# Altium PCB Main_Board.PcbDoc (part 15 of 19)
Units mil, origin at the board's own origin, x right, y up, seen from the top; angles counter-clockwise.
Board outline 5306 x 6610 mil, 12 copper layers ((L1) Top, (L2) Inner 1, (L3) Inner 2, (L4) Inner 3, (L5) Inner 4, (L6) Inner 5, (L7) Inner 6, (L8) Inner 7, (L9) Inner 8, (L10) Inner 9, (L11) Inner 10, (L12) Bottom), stack 94.81 mil thick; 347 components, 571 nets, 2611 pads, 4053 vias.
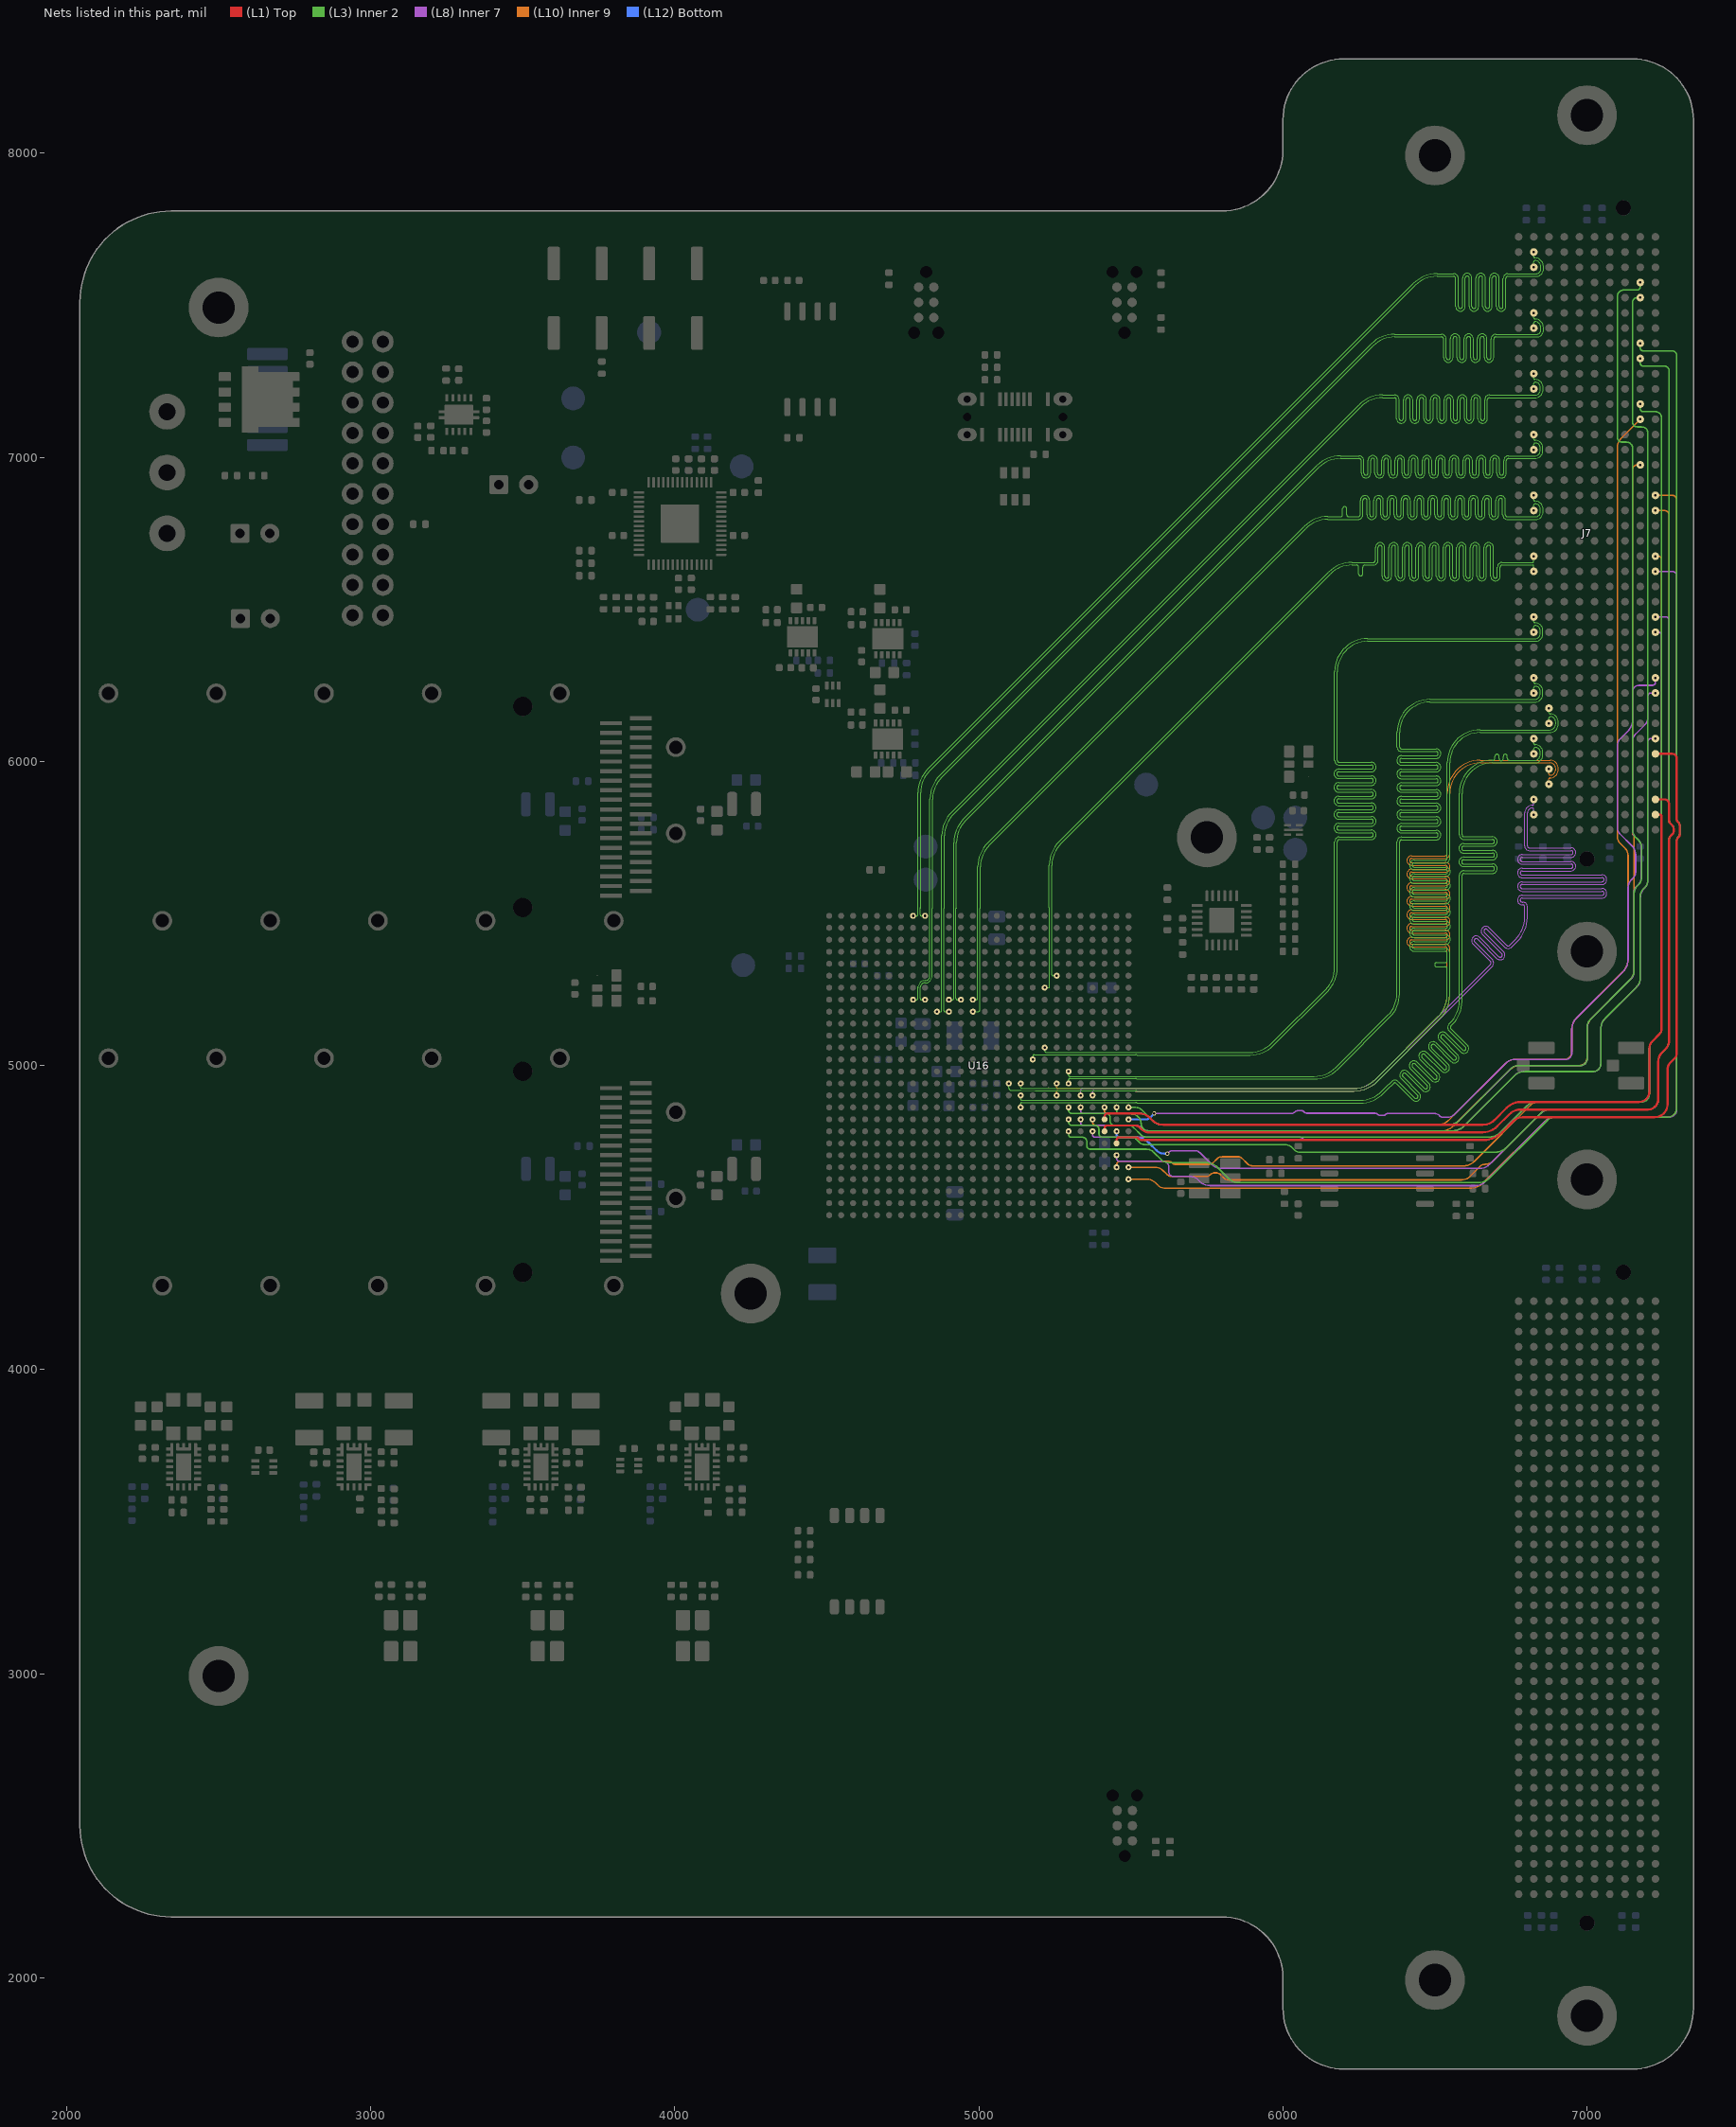
[diagram p25: the nets of this part, all layers, seen from the top]

## Via types
v1: diameter 13.78, hole 7.87, (L1) Top to (L12) Bottom, tented both sides, 4044 vias
v2: diameter 13.78, hole 7.87, (L1) Top to (L12) Bottom, tented bottom, 9 vias

## Nets (pads, with @x,y where several pads share a name; then routed paths per layer and width w, separated by ;. In a path a pad name is that pad's centre, name@x,y a point inside that pad or via, vN(x,y) a via of type N, cw(c..) or ccw(c..) an arc to the next point about the centre after c; other vN are vias at no path point) (continued)
HPCC_B_61_N: J7.H33 U16.R17 | length 4501.2
  (L3) Inner 2 w3.5: v1(5137.8,4940.94) 5138,4940.94 5138,4928 ccw(c5141,4928) 5141,4925 6233.58,4925 ccw(c6233.58,5025) 6304.29,4954.29 6510.71,5160.71 ccw(c6440,5231.42) 6540,5231.42 6540,5316.14 6540,5317.89 ccw(c6533.25,5317.89) 6533.25,5324.64 6505.54,5324.64 cw(c6505.54,5331.39) 6505.54,5338.14 6533.25,5338.14 ccw(c6533.25,5344.89) 6540,5344.89 6540,5354.49 6540,5363 6540,5369.15 ccw(c6533.25,5369.15) 6533.25,5375.9 6431.85,5375.9 cw(c6431.85,5391.45) 6431.85,5407 6534.99,5407 ccw(c6534.99,5413.75) 6534.99,5420.5 6431.85,5420.5 cw(c6431.85,5436.05) 6431.85,5451.6 6534.99,5451.6 ccw(c6534.99,5458.35) 6534.99,5465.1 6431.85,5465.1 cw(c6431.85,5480.65) 6431.85,5496.2 6534.99,5496.2 ccw(c6534.99,5502.95) 6534.99,5509.7 6431.85,5509.7 cw(c6431.85,5525.25) 6431.85,5540.8 6534.99,5540.8 ccw(c6534.99,5547.55) 6534.99,5554.3 6431.85,5554.3 cw(c6431.85,5569.85) 6431.85,5585.4 6534.99,5585.4 ccw(c6534.99,5592.15) 6534.99,5598.9 6431.85,5598.9 cw(c6431.85,5614.45) 6431.85,5630 6534.99,5630 ccw(c6534.99,5636.75) 6534.99,5643.5 6431.85,5643.5 cw(c6431.85,5659.05) 6431.85,5674.6 6533.25,5674.6 ccw(c6533.25,5681.35) 6540,5681.35 6540,5699.01 6540,5995 cw(c6648.8,5995) 6648.8,6103.8 6877.8,6103.8 ccw(c6877.8,6123) 6897,6123 6897,6130 ccw(c6880,6130) 6880,6147 ccw(c6880,6142) 6875,6142 v1(6875,6125)
HPCC_B_61_P: J7.H32 U16.R16 | length 4499.6
  (L3) Inner 2 w3.5: v1(5098.43,4940.94) 5098.43,4926.53 ccw(c5106.98,4926.53) 5106.98,4917.97 5135.47,4917.97 5138.39,4917.97 5185,4917.65 5516.23,4917.65 cw(c5516.23,4915.17) 5517.98,4916.93 ; 5517.98,4916.92 ccw(c5519.73,4918.68) 5519.73,4916.2 6233.58,4916.2 ccw(c6233.58,5025) 6310.51,4948.07 6516.93,5154.49 ccw(c6440,5231.42) 6548.8,5231.42 6548.8,5363 6548.8,5369.15 ccw(c6533.25,5369.15) 6533.25,5384.7 6431.85,5384.7 cw(c6431.85,5391.45) 6431.85,5398.2 6534.99,5398.2 ccw(c6534.99,5413.75) 6534.99,5429.3 6431.85,5429.3 cw(c6431.85,5436.05) 6431.85,5442.8 6534.99,5442.8 ccw(c6534.99,5458.35) 6534.99,5473.9 6431.85,5473.9 cw(c6431.85,5480.65) 6431.85,5487.4 6534.99,5487.4 ccw(c6534.99,5502.95) 6534.99,5518.5 6431.85,5518.5 cw(c6431.85,5525.25) 6431.85,5532 6534.99,5532 ccw(c6534.99,5547.55) 6534.99,5563.1 6431.85,5563.1 cw(c6431.85,5569.85) 6431.85,5576.6 6534.99,5576.6 ccw(c6534.99,5592.15) 6534.99,5607.7 6431.85,5607.7 cw(c6431.85,5614.45) 6431.85,5621.2 6534.99,5621.2 ccw(c6534.99,5636.75) 6534.99,5652.3 6431.85,5652.3 cw(c6431.85,5659.05) 6431.85,5665.8 6533.25,5665.8 ccw(c6533.25,5681.35) 6548.8,5681.35 6548.8,5699.01 6548.8,5995 cw(c6648.8,5995) 6648.8,6095 6877.8,6095 ccw(c6877.8,6123) 6905.8,6123 6905.8,6130 ccw(c6880,6130) 6880,6155.8 cw(c6880,6160.8) 6875,6160.8 v1(6875,6175)
HPCC_B_62_N: J7.H37 U16.R20 | length 4346.7
  (L10) Inner 9 w3.5: v1(5255.91,4940.94) 5255.91,4928.43 ccw(c5259.41,4928.43) 5256.93,4925.96 ccw(c5259.41,4928.44) 5259.41,4924.93 6233.51,4924.93 ccw(c6233.51,5024.93) 6304.22,4954.22 6510.71,5160.71 ccw(c6440,5231.42) 6540,5231.42 6540,5364 6540,5384.16 ccw(c6533.25,5384.16) 6533.25,5390.91 6423.26,5390.91 cw(c6423.26,5406.46) 6423.26,5422.01 6534.17,5422.01 ccw(c6534.17,5428.76) 6534.17,5435.51 6423.26,5435.51 cw(c6423.26,5451.06) 6423.26,5466.61 6534.17,5466.61 ccw(c6534.17,5473.36) 6534.17,5480.11 6423.26,5480.11 cw(c6423.26,5495.66) 6423.26,5511.21 6534.17,5511.21 ccw(c6534.17,5517.96) 6534.17,5524.71 6423.26,5524.71 cw(c6423.26,5540.26) 6423.26,5555.81 6534.17,5555.81 ccw(c6534.17,5562.56) 6534.17,5569.31 6423.26,5569.31 cw(c6423.26,5584.86) 6423.26,5600.41 6534.17,5600.41 ccw(c6534.17,5607.16) 6534.17,5613.91 6423.26,5613.91 cw(c6423.26,5629.46) 6423.26,5645.01 6534.17,5645.01 ccw(c6534.17,5651.76) 6534.17,5658.51 6423.26,5658.51 cw(c6423.26,5674.06) 6423.26,5689.61 6533.25,5689.61 ccw(c6533.25,5696.36) 6540,5696.36 6540,5724.81 6540,5895 cw(c6648.8,5895) 6648.8,6003.8 6879,6003.8 cw(c6879,5977) 6905.8,5977 6905.8,5973 cw(c6879,5973) 6879,5946.2 ccw(c6879,5942.2) 6875,5942.2 v1(6875,5925)
HPCC_B_62_P: J7.H36 U16.T20 | length 4318.7
  (L10) Inner 9 w3.5: v1(5255.91,4901.57) 5255.91,4914.08 cw(c5259.41,4914.08) 5256.93,4916.56 cw(c5259.41,4914.08) 5259.41,4917.58 5515,4917.58 ccw(c5516.45,4917.58) 5516.45,4916.13 6233.51,4916.13 ccw(c6233.51,5024.93) 6310.45,4948 6516.93,5154.49 ccw(c6440,5231.42) 6548.8,5231.42 6548.8,5364 6548.8,5384.16 ccw(c6533.25,5384.16) 6533.25,5399.71 6423.26,5399.71 cw(c6423.26,5406.46) 6423.26,5413.21 6534.17,5413.21 ccw(c6534.17,5428.76) 6534.17,5444.31 6423.26,5444.31 cw(c6423.26,5451.06) 6423.26,5457.81 6534.17,5457.81 ccw(c6534.17,5473.36) 6534.17,5488.91 6423.26,5488.91 cw(c6423.26,5495.66) 6423.26,5502.41 6534.17,5502.41 ccw(c6534.17,5517.96) 6534.17,5533.51 6423.26,5533.51 cw(c6423.26,5540.26) 6423.26,5547.01 6534.17,5547.01 ccw(c6534.17,5562.56) 6534.17,5578.11 6423.26,5578.11 cw(c6423.26,5584.86) 6423.26,5591.61 6534.17,5591.61 ccw(c6534.17,5607.16) 6534.17,5622.71 6423.26,5622.71 cw(c6423.26,5629.46) 6423.26,5636.21 6534.17,5636.21 ccw(c6534.17,5651.76) 6534.17,5667.31 6423.26,5667.31 cw(c6423.26,5674.06) 6423.26,5680.81 6533.25,5680.81 ccw(c6533.25,5696.36) 6548.8,5696.36 6548.8,5724.81 6548.8,5895 cw(c6648.8,5895) 6648.8,5995 6879,5995 cw(c6879,5977) 6897,5977 6897,5973 cw(c6879,5973) 6879,5955 cw(c6879,5959) 6875,5959 v1(6875,5975)
HPCC_B_63_N: J7.J3 U16.A8 | length 4106.9
  (L3) Inner 2 w3.5: v1(4783.46,5492.13) 4795.97,5492.13 ccw(c4795.97,5495.63) 4798.45,5493.15 ccw(c4795.97,5495.63) 4799.47,5495.63 4799.47,5896.85 cw(c4908.27,5896.85) 4831.34,5973.79 6429.49,7571.93 cw(c6506.42,7495) 6506.42,7603.8 6515,7603.8 6561.31,7603.8 cw(c6561.31,7588.25) 6576.86,7588.25 6576.86,7496.31 ccw(c6583.61,7496.31) 6590.36,7496.31 6590.36,7589.24 cw(c6605.91,7589.24) 6621.46,7589.24 6621.46,7496.31 ccw(c6628.21,7496.31) 6634.96,7496.31 6634.96,7589.24 cw(c6650.51,7589.24) 6666.06,7589.24 6666.06,7496.31 ccw(c6672.81,7496.31) 6679.56,7496.31 6679.56,7589.24 cw(c6695.11,7589.24) 6710.66,7589.24 6710.66,7496.31 ccw(c6717.41,7496.31) 6724.16,7496.31 6724.16,7588.25 cw(c6739.71,7588.25) 6739.71,7603.8 6745.86,7603.8 6832.8,7603.8 ccw(c6832.8,7619) 6848,7619 6848,7628 ccw(c6829,7628) 6829,7647 ccw(c6829,7643) 6825,7643 v1(6825,7625)
HPCC_B_63_P: J7.J2 U16.A9 | length 4118.3
  (L3) Inner 2 w3.5: v1(4822.83,5492.13) 4810.32,5492.13 cw(c4810.32,5495.63) 4807.85,5493.15 cw(c4810.32,5495.63) 4806.82,5495.63 4806.82,5516.23 cw(c4809.3,5516.23) 4807.55,5517.98 ccw(c4805.8,5519.73) 4808.27,5519.73 4808.27,5896.85 cw(c4908.27,5896.85) 4837.56,5967.56 6435.71,7565.71 cw(c6506.42,7495) 6506.42,7595 6515,7595 6561.31,7595 cw(c6561.31,7588.25) 6568.06,7588.25 6568.06,7496.31 ccw(c6583.61,7496.31) 6599.16,7496.31 6599.16,7589.24 cw(c6605.91,7589.24) 6612.66,7589.24 6612.66,7496.31 ccw(c6628.21,7496.31) 6643.76,7496.31 6643.76,7589.24 cw(c6650.51,7589.24) 6657.26,7589.24 6657.26,7496.31 ccw(c6672.81,7496.31) 6688.36,7496.31 6688.36,7589.24 cw(c6695.11,7589.24) 6701.86,7589.24 6701.86,7496.31 ccw(c6717.41,7496.31) 6732.96,7496.31 6732.96,7588.25 cw(c6739.71,7588.25) 6739.71,7595 6745.86,7595 6832.8,7595 ccw(c6832.8,7619) 6856.8,7619 6856.8,7628 ccw(c6829,7628) 6829,7655.8 cw(c6829,7659.8) 6825,7659.8 v1(6825,7675)
HPCC_B_64_N: J7.J7 U16.H8 | length 4024.8
  (L3) Inner 2 w3.5: v1(4783.46,5216.54) 4795.97,5216.54 ccw(c4795.97,5220.04) 4798.45,5217.56 ccw(c4795.97,5220.04) 4799.47,5220.04 4799.47,5255 ; 4799.47,5255.05 cw(c4806.82,5255) 4799.56,5256.11 4800.06,5259.39 cw(c4822.83,5255.91) 4822.83,5278.94 4823.94,5278.94 ccw(c4823.94,5294) 4839,5294 4839,5876.38 cw(c4947.8,5876.38) 4870.87,5953.31 6290.49,7372.93 cw(c6367.42,7296) 6367.42,7404.8 6470.7,7404.8 6521.45,7404.8 cw(c6521.45,7389.25) 6537,7389.25 6537,7327.98 ccw(c6543.75,7327.98) 6550.5,7327.98 6550.5,7390.38 cw(c6566.05,7390.38) 6581.6,7390.38 6581.6,7327.98 ccw(c6588.35,7327.98) 6595.1,7327.98 6595.1,7390.38 cw(c6610.65,7390.38) 6626.2,7390.38 6626.2,7327.98 ccw(c6632.95,7327.98) 6639.7,7327.98 6639.7,7390.38 cw(c6655.25,7390.38) 6670.8,7390.38 6670.8,7327.98 ccw(c6677.55,7327.98) 6684.3,7327.98 6684.3,7389.25 cw(c6699.85,7389.25) 6699.85,7404.8 6706,7404.8 6834.8,7404.8 ccw(c6834.8,7418) 6848,7418 6848,7427 ccw(c6829,7427) 6829,7446 ccw(c6829,7442) 6825,7442 v1(6825,7425)
HPCC_B_64_P: J7.J6 U16.H9 | length 4038.2
  (L3) Inner 2 w3.5: v1(4822.83,5216.54) 4810.32,5216.54 cw(c4810.32,5220.04) 4807.85,5217.56 cw(c4810.32,5220.04) 4806.82,5220.04 4806.82,5255 4807.33,5258.27 cw(c4822.83,5255.91) 4822.83,5271.59 4823.94,5271.59 ccw(c4823.94,5294) 4846.35,5294 4846.35,5516.23 cw(c4848.83,5516.23) 4847.07,5517.98 ; 4847.08,5517.98 ccw(c4845.32,5519.73) 4847.8,5519.73 4847.8,5876.38 cw(c4947.8,5876.38) 4877.09,5947.09 6296.71,7366.71 cw(c6367.42,7296) 6367.42,7396 6470.7,7396 6521.45,7396 cw(c6521.45,7389.25) 6528.2,7389.25 6528.2,7327.98 ccw(c6543.75,7327.98) 6559.3,7327.98 6559.3,7390.38 cw(c6566.05,7390.38) 6572.8,7390.38 6572.8,7327.98 ccw(c6588.35,7327.98) 6603.9,7327.98 6603.9,7390.38 cw(c6610.65,7390.38) 6617.4,7390.38 6617.4,7327.98 ccw(c6632.95,7327.98) 6648.5,7327.98 6648.5,7390.38 cw(c6655.25,7390.38) 6662,7390.38 6662,7327.98 ccw(c6677.55,7327.98) 6693.1,7327.98 6693.1,7389.25 cw(c6699.85,7389.25) 6699.85,7396 6706,7396 6834.8,7396 ccw(c6834.8,7418) 6856.8,7418 6856.8,7427 ccw(c6829,7427) 6829,7454.8 cw(c6829,7458.8) 6825,7458.8 v1(6825,7475)
HPCC_B_65_N: J7.J11 U16.J10 | length 4287.9
  (L3) Inner 2 w3.5: v1(4862.2,5177.17) 4874.71,5177.17 ccw(c4874.71,5180.67) 4877.19,5178.19 ccw(c4874.71,5180.67) 4878.21,5180.67 4878.21,5755.59 cw(c4987.01,5755.59) 4910.08,5832.53 6250.49,7172.93 cw(c6327.42,7096) 6327.42,7204.8 6335.15,7204.8 6366.89,7204.8 cw(c6366.89,7189.25) 6382.44,7189.25 6382.44,7127.85 ccw(c6389.19,7127.85) 6395.94,7127.85 6395.94,7189.43 cw(c6411.49,7189.43) 6427.04,7189.43 6427.04,7127.85 ccw(c6433.79,7127.85) 6440.54,7127.85 6440.54,7189.43 cw(c6456.09,7189.43) 6471.64,7189.43 6471.64,7127.85 ccw(c6478.39,7127.85) 6485.14,7127.85 6485.14,7189.43 cw(c6500.69,7189.43) 6516.24,7189.43 6516.24,7127.85 ccw(c6522.99,7127.85) 6529.74,7127.85 6529.74,7189.43 cw(c6545.29,7189.43) 6560.84,7189.43 6560.84,7127.85 ccw(c6567.59,7127.85) 6574.34,7127.85 6574.34,7189.43 cw(c6589.89,7189.43) 6605.44,7189.43 6605.44,7127.85 ccw(c6612.19,7127.85) 6618.94,7127.85 6618.94,7189.43 cw(c6634.49,7189.43) 6650.04,7189.43 6650.04,7127.85 ccw(c6656.79,7127.85) 6663.54,7127.85 6663.54,7189.25 cw(c6679.09,7189.25) 6679.09,7204.8 6685.24,7204.8 6828.8,7204.8 ccw(c6828.8,7223) 6847,7223 6847,7229 ccw(c6829,7229) 6829,7247 ccw(c6829,7243) 6825,7243 v1(6825,7225)
HPCC_B_65_P: J7.J10 U16.J11 | length 4299.3
  (L3) Inner 2 w3.5: v1(4901.57,5177.17) 4889.06,5177.17 cw(c4889.06,5180.67) 4886.59,5178.19 cw(c4889.06,5180.67) 4885.56,5180.67 4885.56,5516.23 cw(c4888.04,5516.23) 4886.29,5517.98 ccw(c4884.54,5519.73) 4887.01,5519.73 4887.01,5755.59 cw(c4987.01,5755.59) 4916.3,5826.3 6256.71,7166.71 cw(c6327.42,7096) 6327.42,7196 6335.15,7196 6366.89,7196 cw(c6366.89,7189.25) 6373.64,7189.25 6373.64,7127.85 ccw(c6389.19,7127.85) 6404.74,7127.85 6404.74,7189.43 cw(c6411.49,7189.43) 6418.24,7189.43 6418.24,7127.85 ccw(c6433.79,7127.85) 6449.34,7127.85 6449.34,7189.43 cw(c6456.09,7189.43) 6462.84,7189.43 6462.84,7127.85 ccw(c6478.39,7127.85) 6493.94,7127.85 6493.94,7189.43 cw(c6500.69,7189.43) 6507.44,7189.43 6507.44,7127.85 ccw(c6522.99,7127.85) 6538.54,7127.85 6538.54,7189.43 cw(c6545.29,7189.43) 6552.04,7189.43 6552.04,7127.85 ccw(c6567.59,7127.85) 6583.14,7127.85 6583.14,7189.43 cw(c6589.89,7189.43) 6596.64,7189.43 6596.64,7127.85 ccw(c6612.19,7127.85) 6627.74,7127.85 6627.74,7189.43 cw(c6634.49,7189.43) 6641.24,7189.43 6641.24,7127.85 ccw(c6656.79,7127.85) 6672.34,7127.85 6672.34,7189.25 cw(c6679.09,7189.25) 6679.09,7196 6685.24,7196 6828.8,7196 ccw(c6828.8,7223) 6855.8,7223 6855.8,7229 ccw(c6829,7229) 6829,7255.8 cw(c6829,7259.8) 6825,7259.8 v1(6825,7275)
HPCC_B_66_N: J7.J15 U16.H11 | length 4280.7
  (L3) Inner 2 w3.5: v1(4901.57,5216.54) 4914.08,5216.54 ccw(c4914.08,5220.04) 4916.56,5217.56 ccw(c4914.08,5220.04) 4917.58,5220.04 4917.58,5733.4 cw(c5026.38,5733.4) 4949.45,5810.34 6112.05,6972.93 cw(c6188.98,6896) 6188.98,7004.8 6209.49,7004.8 6250.75,7004.8 cw(c6250.75,6989.25) 6266.3,6989.25 6266.3,6947.97 ccw(c6273.05,6947.97) 6279.8,6947.97 6279.8,6990.26 cw(c6295.35,6990.26) 6310.9,6990.26 6310.9,6947.97 ccw(c6317.65,6947.97) 6324.4,6947.97 6324.4,6990.26 cw(c6339.95,6990.26) 6355.5,6990.26 6355.5,6947.97 ccw(c6362.25,6947.97) 6369,6947.97 6369,6990.26 cw(c6384.55,6990.26) 6400.1,6990.26 6400.1,6947.97 ccw(c6406.85,6947.97) 6413.6,6947.97 6413.6,6990.26 cw(c6429.15,6990.26) 6444.7,6990.26 6444.7,6947.97 ccw(c6451.45,6947.97) 6458.2,6947.97 6458.2,6990.26 cw(c6473.75,6990.26) 6489.3,6990.26 6489.3,6947.97 ccw(c6496.05,6947.97) 6502.8,6947.97 6502.8,6990.26 cw(c6518.35,6990.26) 6533.9,6990.26 6533.9,6947.97 ccw(c6540.65,6947.97) 6547.4,6947.97 6547.4,6990.26 cw(c6562.95,6990.26) 6578.5,6990.26 6578.5,6947.97 ccw(c6585.25,6947.97) 6592,6947.97 6592,6990.26 cw(c6607.55,6990.26) 6623.1,6990.26 6623.1,6947.97 ccw(c6629.85,6947.97) 6636.6,6947.97 6636.6,6990.26 cw(c6652.15,6990.26) 6667.7,6990.26 6667.7,6947.97 ccw(c6674.45,6947.97) 6681.2,6947.97 6681.2,6990.26 cw(c6696.75,6990.26) 6712.3,6990.26 6712.3,6947.97 ccw(c6719.05,6947.97) 6725.8,6947.97 6725.8,6989.25 cw(c6741.35,6989.25) 6741.35,7004.8 6747.5,7004.8 6828.8,7004.8 ccw(c6828.8,7022) 6846,7022 6846,7031 ccw(c6830,7031) 6830,7047 ccw(c6830,7042) 6825,7042 v1(6825,7025)
HPCC_B_66_P: J7.J14 U16.H12 | length 4292.1
  (L3) Inner 2 w3.5: v1(4940.94,5216.54) 4928.43,5216.54 cw(c4928.43,5220.04) 4925.96,5217.56 cw(c4928.44,5220.04) 4924.93,5220.04 4924.93,5516.23 cw(c4927.41,5516.23) 4925.66,5517.98 ccw(c4923.91,5519.73) 4926.38,5519.73 4926.38,5733.4 cw(c5026.38,5733.4) 4955.67,5804.11 6118.27,6966.71 cw(c6188.98,6896) 6188.98,6996 6209.49,6996 6250.75,6996 cw(c6250.75,6989.25) 6257.5,6989.25 6257.5,6947.97 ccw(c6273.05,6947.97) 6288.6,6947.97 6288.6,6990.26 cw(c6295.35,6990.26) 6302.1,6990.26 6302.1,6947.97 ccw(c6317.65,6947.97) 6333.2,6947.97 6333.2,6990.26 cw(c6339.95,6990.26) 6346.7,6990.26 6346.7,6947.97 ccw(c6362.25,6947.97) 6377.8,6947.97 6377.8,6990.26 cw(c6384.55,6990.26) 6391.3,6990.26 6391.3,6947.97 ccw(c6406.85,6947.97) 6422.4,6947.97 6422.4,6990.26 cw(c6429.15,6990.26) 6435.9,6990.26 6435.9,6947.97 ccw(c6451.45,6947.97) 6467,6947.97 6467,6990.26 cw(c6473.75,6990.26) 6480.5,6990.26 6480.5,6947.97 ccw(c6496.05,6947.97) 6511.6,6947.97 6511.6,6990.26 cw(c6518.35,6990.26) 6525.1,6990.26 6525.1,6947.97 ccw(c6540.65,6947.97) 6556.2,6947.97 6556.2,6990.26 cw(c6562.95,6990.26) 6569.7,6990.26 6569.7,6947.97 ccw(c6585.25,6947.97) 6600.8,6947.97 6600.8,6990.26 cw(c6607.55,6990.26) 6614.3,6990.26 6614.3,6947.97 ccw(c6629.85,6947.97) 6645.4,6947.97 6645.4,6990.26 cw(c6652.15,6990.26) 6658.9,6990.26 6658.9,6947.97 ccw(c6674.45,6947.97) 6690,6947.97 6690,6990.26 cw(c6696.75,6990.26) 6703.5,6990.26 6703.5,6947.97 ccw(c6719.05,6947.97) 6734.6,6947.97 6734.6,6989.25 cw(c6741.35,6989.25) 6741.35,6996 6747.5,6996 6828.8,6996 ccw(c6828.8,7022) 6854.8,7022 6854.8,7031 ccw(c6830,7031) 6830,7055.8 cw(c6830,7060.8) 6825,7060.8 v1(6825,7075)
HPCC_B_67_N: J7.J19 U16.H13 | length 4232.8
  (L3) Inner 2 w3.5: v1(4980.31,5216.54) 4991.46,5216.54 ccw(c4991.46,5221.54) 4995,5218 ccw(c4991.81,5221.19) 4996.32,5221.19 4996.32,5653.7 cw(c5105.12,5653.7) 5028.19,5730.63 6070.49,6772.93 cw(c6147.42,6696) 6147.42,6804.8 6187.82,6804.8 6189.57,6804.8 ccw(c6189.57,6811.55) 6196.32,6811.55 6196.32,6831.1 cw(c6203.07,6831.1) 6209.82,6831.1 6209.82,6811.55 ccw(c6216.57,6811.55) 6216.57,6804.8 6225.69,6804.8 6241.38,6804.8 6247.53,6804.8 ccw(c6247.53,6811.55) 6254.28,6811.55 6254.28,6858.33 cw(c6269.83,6858.33) 6285.38,6858.33 6285.38,6811.39 ccw(c6292.13,6811.39) 6298.88,6811.39 6298.88,6858.33 cw(c6314.43,6858.33) 6329.98,6858.33 6329.98,6811.39 ccw(c6336.73,6811.39) 6343.48,6811.39 6343.48,6858.33 cw(c6359.03,6858.33) 6374.58,6858.33 6374.58,6811.39 ccw(c6381.33,6811.39) 6388.08,6811.39 6388.08,6858.33 cw(c6403.63,6858.33) 6419.18,6858.33 6419.18,6811.39 ccw(c6425.93,6811.39) 6432.68,6811.39 6432.68,6858.33 cw(c6448.23,6858.33) 6463.78,6858.33 6463.78,6811.39 ccw(c6470.53,6811.39) 6477.28,6811.39 6477.28,6858.33 cw(c6492.83,6858.33) 6508.38,6858.33 6508.38,6811.39 ccw(c6515.13,6811.39) 6521.88,6811.39 6521.88,6858.33 cw(c6537.43,6858.33) 6552.98,6858.33 6552.98,6811.39 ccw(c6559.73,6811.39) 6566.48,6811.39 6566.48,6858.33 cw(c6582.03,6858.33) 6597.58,6858.33 6597.58,6811.39 ccw(c6604.33,6811.39) 6611.08,6811.39 6611.08,6858.33 cw(c6626.63,6858.33) 6642.18,6858.33 6642.18,6811.39 ccw(c6648.93,6811.39) 6655.68,6811.39 6655.68,6858.33 cw(c6671.23,6858.33) 6686.78,6858.33 6686.78,6811.39 ccw(c6693.53,6811.39) 6700.28,6811.39 6700.28,6858.33 cw(c6715.83,6858.33) 6731.38,6858.33 6731.38,6811.55 ccw(c6738.13,6811.55) 6738.13,6804.8 6758.46,6804.8 6831.8,6804.8 ccw(c6831.8,6820) 6847,6820 6847,6829 ccw(c6829,6829) 6829,6847 ccw(c6829,6843) 6825,6843 v1(6825,6825)
HPCC_B_67_P: J7.J18 U16.J13 | length 4235.9
  (L3) Inner 2 w3.5: v1(4980.31,5177.17) 4997.57,5177.17 ccw(c4997.57,5183.43) 5002,5179 ccw(c4997.97,5183.03) 5003.67,5183.03 5003.67,5516.23 cw(c5006.14,5516.23) 5004.39,5517.98 ccw(c5002.64,5519.73) 5005.12,5519.73 5005.12,5653.7 cw(c5105.12,5653.7) 5034.41,5724.41 6076.71,6766.71 cw(c6147.42,6696) 6147.42,6796 6241.38,6796 6247.53,6796 ccw(c6247.53,6811.55) 6263.08,6811.55 6263.08,6858.33 cw(c6269.83,6858.33) 6276.58,6858.33 6276.58,6811.39 ccw(c6292.13,6811.39) 6307.68,6811.39 6307.68,6858.33 cw(c6314.43,6858.33) 6321.18,6858.33 6321.18,6811.39 ccw(c6336.73,6811.39) 6352.28,6811.39 6352.28,6858.33 cw(c6359.03,6858.33) 6365.78,6858.33 6365.78,6811.39 ccw(c6381.33,6811.39) 6396.88,6811.39 6396.88,6858.33 cw(c6403.63,6858.33) 6410.38,6858.33 6410.38,6811.39 ccw(c6425.93,6811.39) 6441.48,6811.39 6441.48,6858.33 cw(c6448.23,6858.33) 6454.98,6858.33 6454.98,6811.39 ccw(c6470.53,6811.39) 6486.08,6811.39 6486.08,6858.33 cw(c6492.83,6858.33) 6499.58,6858.33 6499.58,6811.39 ccw(c6515.13,6811.39) 6530.68,6811.39 6530.68,6858.33 cw(c6537.43,6858.33) 6544.18,6858.33 6544.18,6811.39 ccw(c6559.73,6811.39) 6575.28,6811.39 6575.28,6858.33 cw(c6582.03,6858.33) 6588.78,6858.33 6588.78,6811.39 ccw(c6604.33,6811.39) 6619.88,6811.39 6619.88,6858.33 cw(c6626.63,6858.33) 6633.38,6858.33 6633.38,6811.39 ccw(c6648.93,6811.39) 6664.48,6811.39 6664.48,6858.33 cw(c6671.23,6858.33) 6677.98,6858.33 6677.98,6811.39 ccw(c6693.53,6811.39) 6709.08,6811.39 6709.08,6858.33 cw(c6715.83,6858.33) 6722.58,6858.33 6722.58,6811.55 ccw(c6738.13,6811.55) 6738.13,6796 6758.46,6796 6831.8,6796 ccw(c6831.8,6820) 6855.8,6820 6855.8,6829 ccw(c6829,6829) 6829,6855.8 cw(c6829,6859.8) 6825,6859.8 v1(6825,6875)
HPCC_B_68_N: J7.J23 U16.F20 | length 4388.2
  (L3) Inner 2 w3.5: v1(5255.91,5295.28) cw(c5255.06,5298.67) 5255.09,5295.17 5243.55,5295.17 cw(c5243.55,5298.67) 5240.05,5298.67 5240.05,5658.63 cw(c5340.05,5658.63) 5269.34,5729.34 6156.31,6616.31 cw(c6227.02,6545.6) 6227.02,6645.6 6242.27,6645.6 cw(c6242.27,6638.85) 6249.02,6638.85 6249.02,6616.66 ccw(c6255.77,6616.66) 6262.52,6616.66 6262.52,6638.85 cw(c6269.27,6638.85) 6269.27,6645.6 6291.07,6645.6 6297.23,6645.6 ccw(c6297.23,6661.15) 6312.78,6661.15 6312.78,6703.82 cw(c6319.53,6703.82) 6326.28,6703.82 6326.28,6609.24 ccw(c6341.83,6609.24) 6357.38,6609.24 6357.38,6703.82 cw(c6364.13,6703.82) 6370.88,6703.82 6370.88,6609.24 ccw(c6386.43,6609.24) 6401.98,6609.24 6401.98,6703.82 cw(c6408.73,6703.82) 6415.48,6703.82 6415.48,6609.24 ccw(c6431.03,6609.24) 6446.58,6609.24 6446.58,6703.82 cw(c6453.33,6703.82) 6460.08,6703.82 6460.08,6609.24 ccw(c6475.63,6609.24) 6491.18,6609.24 6491.18,6703.82 cw(c6497.93,6703.82) 6504.68,6703.82 6504.68,6609.24 ccw(c6520.23,6609.24) 6535.78,6609.24 6535.78,6703.82 cw(c6542.53,6703.82) 6549.28,6703.82 6549.28,6609.24 ccw(c6564.83,6609.24) 6580.38,6609.24 6580.38,6703.82 cw(c6587.13,6703.82) 6593.88,6703.82 6593.88,6609.24 ccw(c6609.43,6609.24) 6624.98,6609.24 6624.98,6703.82 cw(c6631.73,6703.82) 6638.48,6703.82 6638.48,6609.24 ccw(c6654.03,6609.24) 6669.58,6609.24 6669.58,6703.82 cw(c6676.33,6703.82) 6683.08,6703.82 6683.08,6609.24 ccw(c6698.63,6609.24) 6714.18,6609.24 6714.18,6638.85 cw(c6720.93,6638.85) 6720.93,6645.6 6750.33,6645.6 6821.5,6645.6 cw(c6821.5,6642.1) 6823.97,6644.57 cw(c6821.5,6642.1) 6825,6642.1 v1(6825,6625)